# Allegro board Mic_Array_main_250pcs_release.brd (continued)
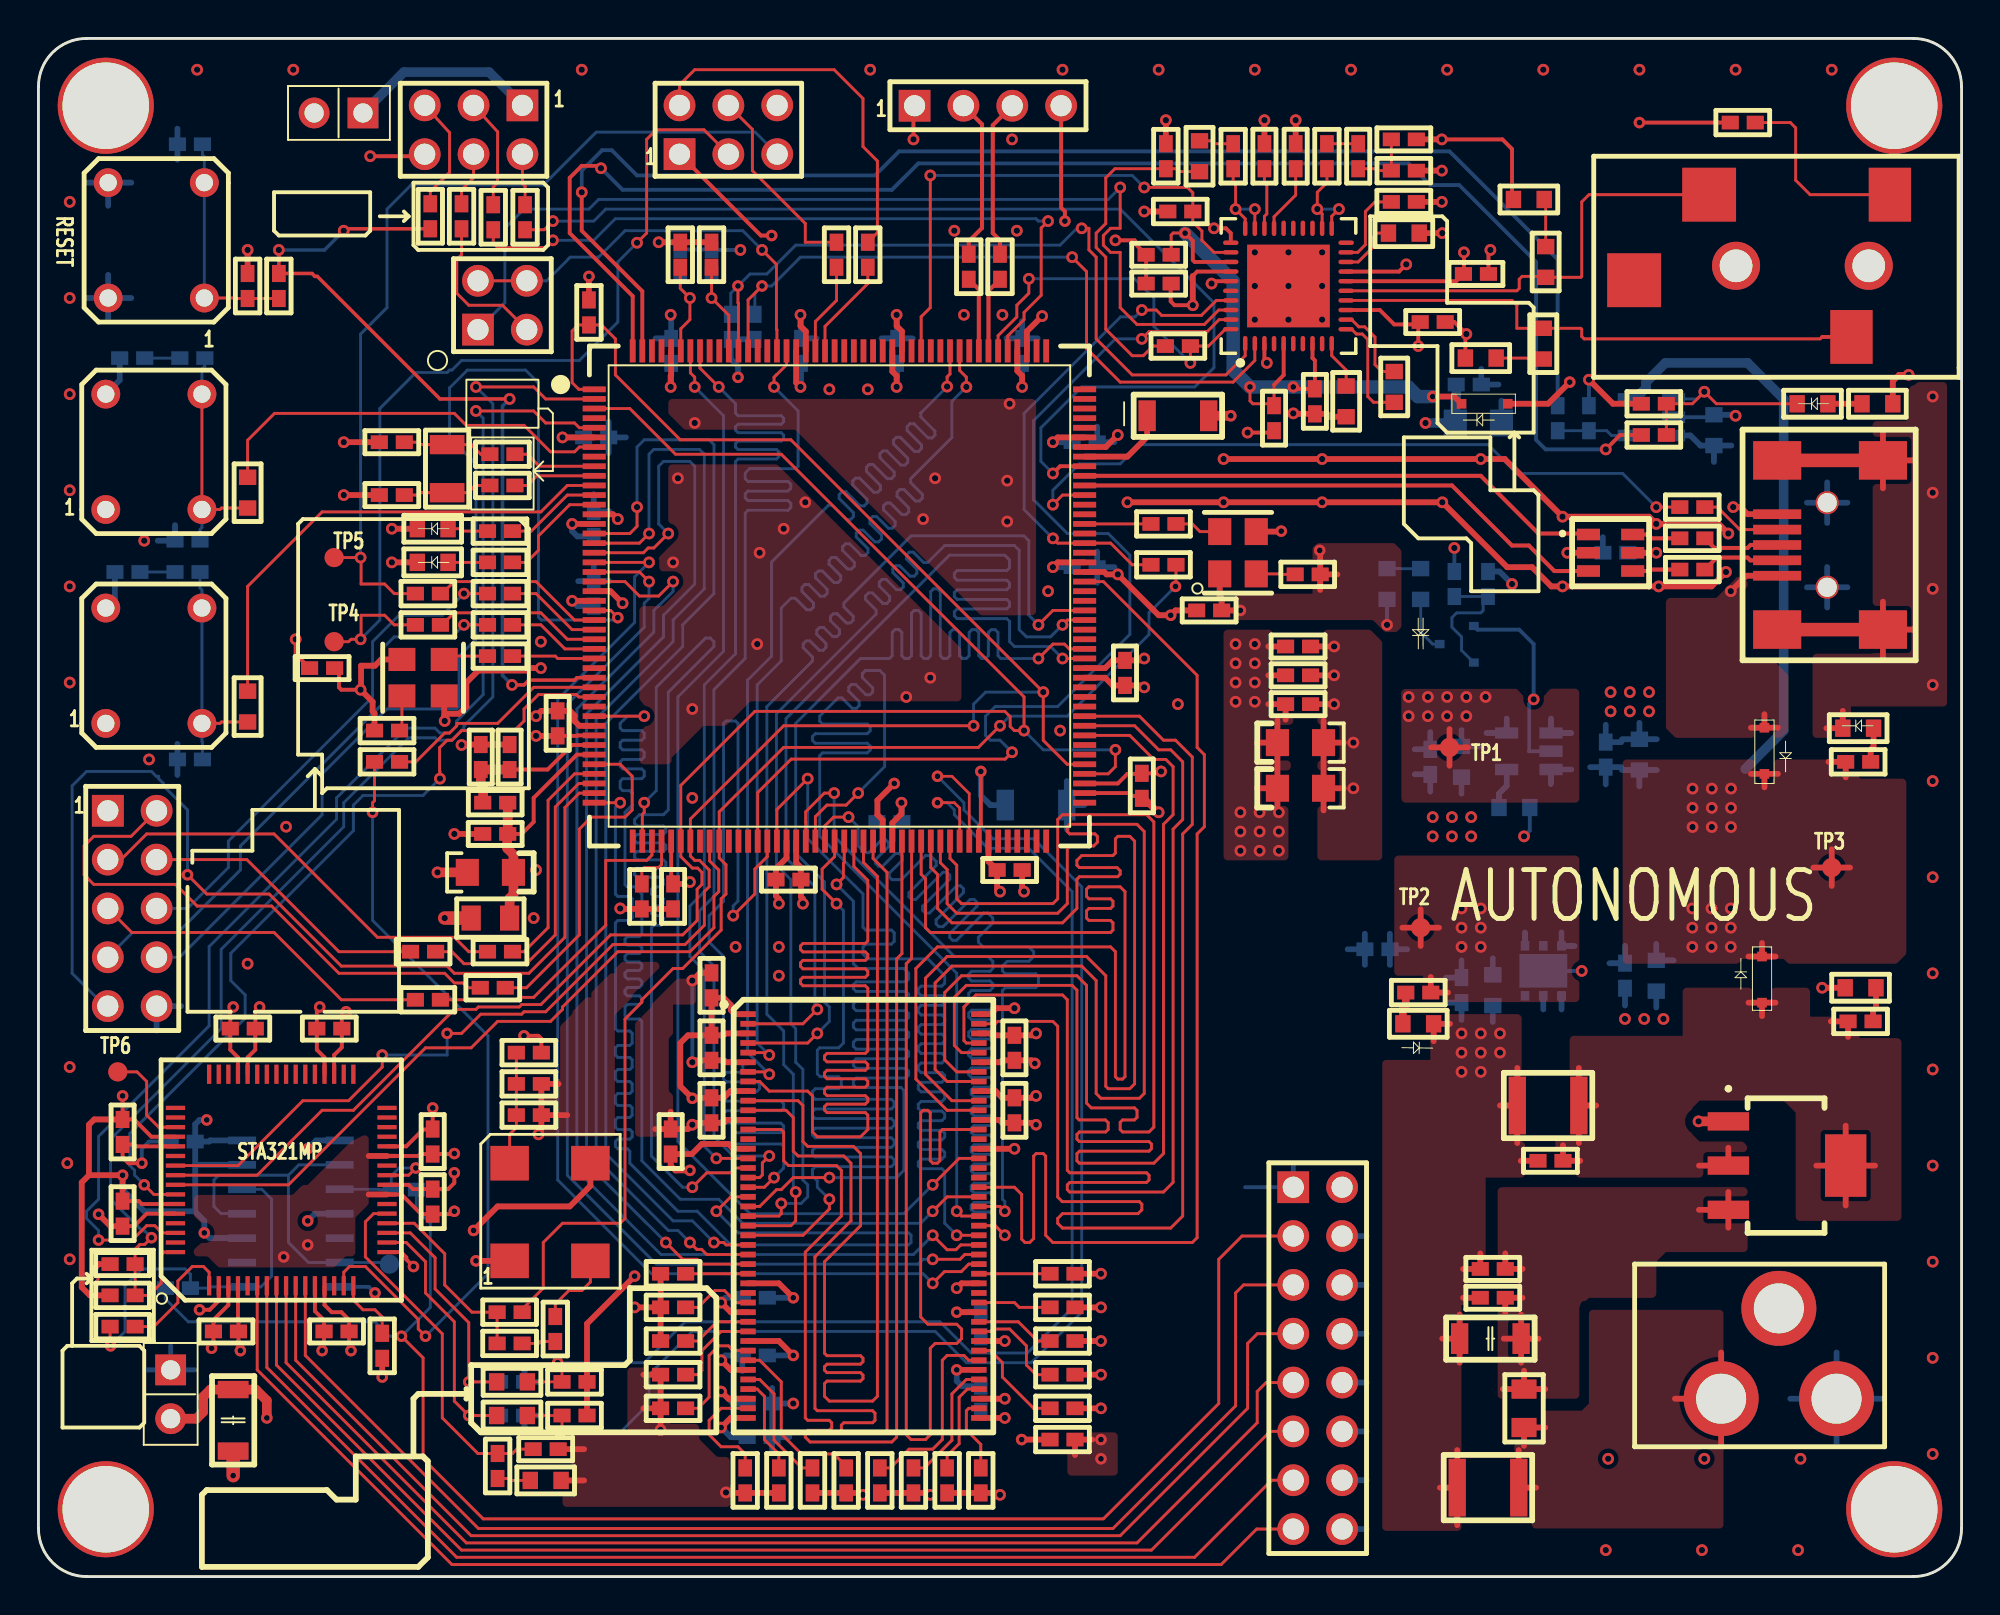
[diagram p0: board, top side]
## Routing (per net, layer and track width the routed paths; a pad name or vN(x,y) marks a point on that pad's centre or on a via; arc(x,y) is an arc through that point) (continued)
MIC_DATA1: length 67.4
  TOP w0.15: U12.11 13.88,11.5 22.88,2.5 55.88,2.5 62.25,8.88 62.25,14.75 62.67,15.17 J6.5
MIC_DATA2: length 65.9
  TOP w0.15: J6.7 63.38,12.63 62.88,12.12 62.88,8.75 56.25,2.12 22.5,2.12 13.38,11.25 U12.10
MIC_DATA3: length 64.7
  TOP w0.15: U12.9 12.88,11.12 22.25,1.75 57.12,1.75 63.38,8 63.38,9.62 63.84,10.09 J6.9
MIC_DATA4: length 63.5
  TOP w0.15: U12.8 12.38,11 22,1.38 57.88,1.38 64.05,7.55 J6.11
MIC_DATA5: length 63.4
  TOP w0.15: J6.13 64.12,5.01 60.12,1 21.75,1 11.88,10.88 U12.7
MIC_DATA6: length 63.2
  TOP w0.15: U12.6 11.38,10.75 21.5,0.62 61.5,0.62 63.34,2.47 J6.15
NRST: length 43.9
  TOP w0.18: v2(24.62,46.38) 25.25,46.38 25.5,46.62 27.88,46.62 28,46.75 U8.31 ; v2(24.5,61.25) 20.88,61.25 14.5,67.62 14.38,67.62 14.22,67.78 R16.1 v2(12.5,69) ; v2(15.88,70) 15.97,70.1 R5.2
  BOTTOM w0.18: v2(15.88,70) 14.88,69 v2(12.5,69) ; v2(24.5,61.25) 24.13,60.88 24.13,46.87 v2(24.62,46.38)
OSC25M: length 2.3
  TOP w0.14: 22.75,47.88 21.27,47.88 X2.3
  TOP w0.15: R49.1 22.75,47.88
OSC32_IN: length 4.4
  TOP w0.15: U8.9 26.04,57.75 25.42,58.38 R34.2
OSC32_OUT: length 4.3
  TOP w0.15: R35.2 25.42,56.75 25.92,57.25 U8.10
OSC_CLK: length 1.8
  TOP w0.15: R100.2 26.1,12.22 26,12.12 R103.2
OTG_FS_OVERCURRENT: length 79.4
  TOP w0.2: U8.176 30.9,66.6 27.62,69.88 27.62,72.75 28.25,73.38 29.12,73.38 29.12,73.25 v2(29.25,73.25) ; v2(81.5,58.62) 82.25,59.38 R23.2
  BOTTOM w0.2: v2(81.5,58.62) 78.38,58.62 77.88,59.12 77.88,68.38 73.88,72.38 72.38,72.38 71.25,73.5 45.75,73.5 44.38,72.12 30.38,72.12 v2(29.25,73.25)
OTG_FS_POWERSWITCHON: length 72.9
  TOP w0.2: U8.175 31.4,66.85 28.25,70 v2(28.25,72)
  BOTTOM w0.2: R25.1 79,68.5 73.38,74.12 44.75,74.12 43.5,72.88 31.12,72.88 29.81,74.19 29.31,74.19 28.25,73.12 v2(28.25,72)
PA0: length 29.1
  TOP w0.15: J1.2 4.82,38.5 2.88,38.5 2.38,38 2.38,36.5 2.88,36 7.13,36 8.25,34.88 12.12,34.88 15.62,31.38 21.12,31.38 21.62,30.88 22.08,30.88 22.33,30.62 R37.1
PA1: length 22.8
  TOP w0.15: J1.3 4.29,37.29 5.62,38.62 12.25,38.62 17.62,33.25 21.62,33.25 22.38,32.5 R40.1
PA2: length 15.2
  TOP w0.15: J1.4 10.84,37.29 15.62,32.5 R41.1
PA3: length 18.2
  TOP w0.15: 3.6,34.75 4.86,33.5 12.25,33.5 15.75,30 R43.1 19.85,30
PA15: length 18.8
  TOP w0.15: v2(59.9,63.12) R89.2 60.84,64 61.72,64.88 U9.40 ; v2(51.5,67.5) 51.5,66.75 50.88,66.12 50.88,65.52 49.9,64.54 U8.138
  BOTTOM w0.15: v2(59.9,63.12) 58,65.03 58,66.5 57,67.5 v2(51.5,67.5)
PB2: length 55.5
  TOP w0.15: U9.39 61.4,65.38 60.77,64.75 57.75,64.75 v2(57.38,64.38) ; v2(50.62,42.88) 50.27,42.52 39.14,42.52 37.4,40.78 U8.58
  BOTTOM w0.15: v2(57.38,64.38) 56,64.38 51.75,60.12 51.75,56 53.5,54.25 55.62,54.25 56.75,53.12 56.75,49 53,45.25 49.75,45.25 49.25,44.75 49.25,43.75 49.5,43.5 50,43.5 v2(50.62,42.88)
PB3: length 52.7
  TOP w0.15: U9.38 61.38,65.88 60.62,65.12 57.12,65.12 56.25,66 56.25,68.88 55.75,68.88 55.38,69.25 55.38,69.75 55.75,70.12 56.25,70.12 v2(56.25,72.25)
  BOTTOM w0.15: v2(56.25,72.25) 55.62,71.62 29.12,71.62 28.62,71.12 25.25,71.12 24.25,70.12 24.25,66.25 JP2.1
PB6: length 37.9
  TOP w0.15: U8.164 36.9,66.4 v1(37.62,67.12) ; v2(53.75,68.62) 54.5,67.88 54.5,63.88 56.25,62.12 62.12,62.12 63.25,63.25 U9.2
  BOTTOM w0.15: R97.1 37.25,66.75 v1(37.62,67.12) 38.13,67.12 39.63,68.62 v2(53.75,68.62)
PB7: length 40
  TOP w0.15: v1(36.38,67.12) 36.38,66.25 36.4,66.22 U8.165 ; v2(54.25,70.12) 54.62,70.12 54.62,69 55,68.62 55,64.38 56.88,62.5 61.75,62.5 62.75,63.5 U9.1
  BOTTOM w0.15: R98.1 36,66.75 v1(36.38,67.12) 37,67.75 37.88,67.75 39.38,69.25 53.12,69.25 54,70.12 v2(54.25,70.12)
PC7: length 26.2
  TOP w0.15: R95.1 56.88,52.62 55.75,53.75 U8.116 53,53.75 v2(52.75,54) ; v2(57.38,65.88) 58.13,65.88 58.41,65.6 60.47,65.6 61.25,66.38 U9.37
  BOTTOM w0.15: v2(52.75,54) 51.25,55.5 51.25,60.5 56.27,65.52 57.02,65.52 v2(57.38,65.88)
PC10: length 4
  TOP w0.21: U8.139 49.4,66.88 R8.1
PC11: length 3.9
  TOP w0.21: U8.140 48.9,66.95 R10.1
PD4: length 27.8
  TOP w0.15: v2(46.38,72.88) 46.38,66 45.9,65.53 U8.146 ; v2(57.5,72.25) 59.75,72.25 60.03,71.97 R87.2 60.03,70.45 60.5,69.98 60.5,69.5 61.12,68.88 U9.32
  BOTTOM w0.15: v2(46.38,72.88) 56.88,72.88 v2(57.5,72.25)
PDM_CLK: length 6.6
  TOP w0.15: R105.1 6,13 7.25,14.25 7.25,15.38 8,16.12 8.58,16.12 8.88,15.83 U12.1
PF6: length 63
  TOP w0.15: U8.24 29.75,50.25 v1(30.12,49.88)
  BOTTOM w0.15: 6.14,32.21 7.33,32.21 14.75,39.62 14.75,41.75 18.12,45.12 21.75,45.12 21.88,45.25 21.88,47.88 22.75,48.75 22.75,57.88 21.38,59.25 21.38,61.83 22.3,62.75 25.32,62.75 26,62.08 26,49.9 26.15,49.75 30,49.75 v1(30.12,49.88)
PF8: length 26.5
  TOP w0.15: R61.2 v2(22.12,51.12)
  BOTTOM w0.15: v2(22.12,51.12) 21,50 18.75,50 17.38,48.62 17.38,45.75 9.88,38.25 9.88,36.88 7.75,34.75 6.14,34.75
PF10: length 29.3
  TOP w0.15: R63.2 v2(22.12,49.5)
  BOTTOM w0.15: v2(22.12,49.5) 21.5,48.88 18.5,48.88 17.88,48.25 17.88,45.38 10.5,38 10.5,36.75 7.25,33.5 4.89,33.5 3.6,32.21
PH2: length 54.1
  TOP w0.15: v1(7.75,36.5) 8.75,35.5 12,35.5 15.75,31.75 21.25,31.75 21.62,31.38 25.5,31.38 27.38,33.25 27.38,40 28.12,40.75 U8.43
  BOTTOM w0.15: 3.6,29.67 3.46,29.67 1.75,31.38 1.75,41.12 2.5,41.88 5.88,41.88 6.12,41.62 6.25,41.62 6.25,41.5 6.5,41.25 6.5,41.12 7.75,39.88 v1(7.75,36.5)
PI8: length 21.5
  TOP w0.15: U8.7 28.13,58.75 27.88,58.5 26.62,58.5 25.25,59.88 22.25,59.88 21.63,60.5 12.28,60.5 10.88,59.1 R18.1
PI9: length 25.6
  TOP w0.15: R7.1 10.88,51.5 14.75,55.38 26.12,55.38 27.5,56.75 U8.11
PWDN: length 69.1
  TOP w0.15: v2(22.75,61.88) 25.75,61.88 26.38,61.25 U8.2 ; v1(5.88,17.62) 5.52,17.27 5.27,17.27 5.03,17.03 C89.1 R96.2 5.75,14.62 6.38,15.25 6.38,16.73 6.53,16.88 U12.64
  BOTTOM w0.15: v2(22.75,61.88) 23.62,61 23.62,45.75 22.12,44.25 22.12,44.12 21.5,43.5 20.75,43.5 20.62,43.62 19.25,43.62 15.88,40.25 15.88,39 9.5,32.62 9.5,28.5 3.75,22.75 3.75,19.62 5.39,17.98 5.52,17.98 v1(5.88,17.62)
SDO_12: length 38.4
  TOP w0.15: U12.57 13,20.38 20.12,27.5 22.5,27.5 23.88,28.88 26.62,28.88 27.25,29.5 27.25,29.62 30.12,32.5 33.88,32.5 35.12,33.75 35.12,35.38 35.38,35.62 35.38,36.75 34.9,37.22 U8.53
SDO_34: length 43.6
  TOP w0.15: U12.58 6,19.88 v1(5.5,20.38) ; v2(20.88,41.5) 20.88,41.88 20.86,41.89 20.86,43.11 21.25,43.5 21.5,43.5 22,44 24.75,44 25.25,44.5 25.25,45.12 26,45.88 27.97,45.88 28.1,45.75 U8.33
  BOTTOM w0.15: v1(5.5,20.38) 5,20.88 5,21.12 4.75,21.38 4.75,23.04 10.75,29.04 10.75,30.25 10,31 10,32.42 16.38,38.79 16.38,40.12 16.88,40.62 20,40.62 v2(20.88,41.5)
SDO_56: length 64.7
  TOP w0.15: U8.5 28.12,59.75 27.88,60 26.38,60 25.75,60.62 v2(22.75,60.62) ; v1(3.12,17.5) 4.88,17.5 5.62,18.25 6.05,18.25 6.42,17.88 U12.62
  BOTTOM w0.15: v2(22.75,60.62) 23.12,60.25 23.12,45.88 21.75,44.5 21.75,44.25 21.38,43.88 20.88,43.88 20.62,44.12 19.12,44.12 15.5,40.5 15.5,39.39 8.88,32.77 8.88,28.64 3.12,22.89 3.12,19.62 2.5,19 2.5,18.62 3.12,18 v1(3.12,17.5)
SPI5_CK: length 46.9
  TOP w0.15: R54.2 18.5,51.12 18,51.62 16.78,51.62 16.78,52.97 v2(16.75,53) TP5.1
  BOTTOM w0.15: v2(16.75,53) 16.75,64.62 18.12,66 18.12,71.12 19.38,72.38 26.25,72.38 29,75.12 37.27,75.12 J5.5
SPI5_MOSI: length 47.5
  TOP w0.15: v2(31.12,69.38) 31.62,69.88 31.62,74.75 32.12,75.25 34.6,75.25 J5.3 ; TP4.1 16.13,48.62 16.25,48.75 v2(16.75,48.75) 16.78,48.78 16.78,50 18,50 18.5,49.5 R56.2
  BOTTOM w0.15: v2(16.75,48.75) 17.75,49.75 17.75,60.75 19.62,62.62 21.25,62.62 21.38,62.75 21.5,62.75 22,63.25 28.12,63.25 30.12,65.25 30.12,68.38 v2(31.12,69.38)
SPI6_CK: length 19.5
  TOP w0.15: R44.2 43.62,69.9 43.62,73.62 42.88,74.38 42.88,76.88 41.38,78.38 34.12,78.38 33.34,77.58 J5.2
SPI6_MOSI: length 10.4
  TOP w0.15: R46.2 39.88,69.4 39.88,70.38 37.12,73.12 37.12,75.27 J5.4
STA_RESET: length 40.6
  TOP w0.15: v1(20.12,12.5) 19.75,12.88 19.75,13.38 17,16.12 16.17,16.12 15.88,15.83 U12.15 ; v1(17.38,39.75) 17.38,40.25 17.47,40.35 R118.2
  BOTTOM w0.15: v1(20.12,12.5) 23.38,15.75 23.38,28.12 17.38,34.12 v1(17.38,39.75)
SWCLK: length 37.9
  TOP w0.15: R2.2 23.65,69.35 23.88,69.12 26.38,69.12 v2(26.75,69.5) ; U8.137 50.4,64.53 51.25,65.38 51.25,65.75 52.14,66.64 52.14,70.14 v2(52.5,70.5)
  BOTTOM w0.15: v2(52.5,70.5) 51.99,70.5 51.87,70.62 30,70.62 28.88,69.5 v2(26.75,69.5)
SWDIO: length 56.4
  TOP w0.15: v2(26.75,70.5) 26.3,70.05 R1.2
  TOP w0.2: v2(52.75,57.38) 53.12,57.75 U8.124
  BOTTOM w0.15: v2(52.75,57.38) 52.12,58 52.12,59.75 54.25,61.88 60.12,61.88 61.12,62.88 61.12,66.25 56.25,71.12 29.5,71.12 28.88,70.5 v2(26.75,70.5)
SWO: length 7.9
  TOP w0.15: R4.2 22,68.75 21.75,68.5 21.75,66.75 22.38,66.12 24.12,66.12 JP2.3
U5V_USB: length 13.1
  TOP w0.3: 89.05,44.15 D4.2 ; D4.2 89.75,44.85 ; D4.2 90.45,44.15 ; U4.1 88.8,52.05 v2(88,51.25) ; U5.5 v2(84.12,53.25)
  BOTTOM w0.3: 87.12,57.97 C14.1 ; C14.1 88.03,58.83 ; C14.1 86.43,58.83 85.9,59.35 U11.1 ; v2(76.62,51.62) 75.97,52.28 R30.1 ; C17.2 v2(84.12,53.25)
UART4_RX: length 8.4
  TOP w0.21: J3.2 49.06,75.53 49.06,70.14 48.38,69.45 R10.2
UART4_TX: length 8.3
  TOP w0.21: R8.2 50,69.5 49.62,69.88 49.62,75.49 J3.3
USB_FS1_N: length 4.1
  TOP w0.21: U4.2 89.02,52.85 88.88,53 87.28,53 R26.1
USB_FS1_P: length 4
  TOP w0.21: U4.3 89.03,53.65 88.88,53.5 87.15,53.5 R27.1
USB_OTG_FS_DM: length 28
  TOP w0.21: U8.122 73.5,56.75 76.62,53.62 77.5,53.62 78.83,52.3 U5.3
USB_OTG_FS_DP: length 27.5
  TOP w0.21: U5.1 80.55,54.25 78,54.25 75,57.25 U8.123
USB_OTG_FS_ID: length 37.5
  TOP w0.15: R28.2 v2(84.12,55.62) ; v2(52.75,55.75) 53.25,56.25 U8.121
  BOTTOM w0.15: v2(84.12,55.62) 82.38,57.38 76.87,57.38 75.37,58.88 57.25,58.88 56.25,57.88 54.12,57.88 52.75,56.5 v2(52.75,55.75)
VREF: length 8.2
  TOP w0.2: C52.1 26.47,41.97 27.75,43.25 U8.38
  TOP w0.5: R67.1 23.12,40.28 23.12,41.12 23,41.25 C53.1 C52.1
XTI: length 10.2
  TOP w0.15: R103.1 R104.1 22.54,13.75 21.12,15.16 21.12,16.79 19.54,18.38 U12.20
N115879: length 4.7
  TOP w0.15: C24.2 19.66,59 19.79,58.88 X1.2 22.5,58.88 23,58.38 R34.1
N115893: length 4.7
  TOP w0.15: C25.2 19.66,56.25 19.79,56.38 X1.1 22.34,56.38 22.72,56.75 R35.1
N117103: length 1.9
  TOP w0.15: X2.1 18.9,44.12 R36.2
N162834: length 5.9
  TOP w0.15: R52.1 v2(35,66.5) 35.9,65.6 U8.166
  BOTTOM w0.15: R53.1 v2(35,66.5)
N163230: length 6.2
  TOP w0.15: U8.171 33.4,64.9 33.88,65.38 v2(33.88,66.5) 33.38,67 R57.1
  BOTTOM w0.15: v2(33.88,66.5) 33.38,67 R59.1
N206390: length 21.8
  TOP w0.15: U8.161 38.4,64.85 38.38,64.88 38.38,68.25 v2(37.62,69) ; JP2.2 JP2.4
  BOTTOM w0.15: JP2.4 26.42,67.39 27.65,68.62 29.12,68.62 30.5,70 36.62,70 v2(37.62,69)
N226705: length 2.1
  BOTTOM w0.3: U1.4 76.35,41.13 75.95,40.73 C10.1
N233294: length 1.7
  TOP w0.4: R24.1 71.1,29.69 70.95,29.54 D2.2
N238541: length 3
  BOTTOM w0.15: 71.88,50.88 D5.1 71.88,49.12 72.5,48.5 Q1.3 72.88,48.5
N238552: length 7.2
  BOTTOM w0.15: R33.2 R30.2 75.38,51 75.12,50.75 75.12,50.25 75,50.12 73.75,50.12 73.5,49.88 73.5,49.38 74,48.88 74,48.17 Q1.2
N238566: length 1.8
  BOTTOM w0.15: R31.2 D5.2
N241763: length 2.5
  TOP w0.21: R26.2 83.77,52.38 83.69,52.3 U5.4
N241767: length 2.5
  TOP w0.21: U5.6 83.69,54.2 83.89,54 R27.2
N242760: length 4.2
  TOP w0.15: R28.1 87.3,55.62 88.47,54.45 U4.4
N248007: length 23.5
  TOP w0.15: U9.15 76.88,66.88 77,67 77,67.47 77.15,67.62 78.33,67.62 C55.2 80.2,67.58 80.25,67.62 80.25,71.5 80.62,71.88 CN1.2
N248035: length 28.1
  TOP w0.15: U9.14 76.62,66.38 76.88,66.12 76.88,64.92 C54.2 80.2,64.92 80.25,64.88 80.25,64.5 80.38,64.38 92.65,64.38 92.75,64.47
  TOP w0.2: CN1.3 92.75,64.47
N248189: length 10.4
  TOP w0.15: CN1.1 92.12,71.88 91.38,72.62 91.38,75.35 91.1,75.62 R84.2
  TOP w0.2: CN1.1 96.28,72.17
N248225: length 5.4
  TOP w0.15: U9.30 62.75,70.62 v2(62.25,71.12) 62.25,72.46 62.12,72.59 R88.1 ; U9.29 v2(63.25,71.12)
  BOTTOM w0.15: v2(62.25,71.12) v2(63.25,71.12)
N248229: length 1.8
  TOP w0.15: R88.2 61.17,74.53 61.02,74.67 C60.1
N248233: length 17.3
  TOP w0.15: R89.1 57.95,64 57.45,63.5 56.88,63.5 55.5,64.88 55.5,68.62 55,69.12 55,69.88 55.5,70.38 55.5,72.75 55.97,73.22 R92.1 59.17,73.22 59.32,73.08 C60.2
N248303: length 2.5
  TOP w0.15: C58.1 68,62.75 67.25,63.5 U9.10
N248307: length 5.8
  TOP w0.15: U9.11 68.28,64.88 68.53,64.62 68.84,64.62 69.12,64.34 69.12,61.38 69.42,61.08 C59.1
N248311: length 4.5
  TOP w0.15: C59.2 69.86,62.67 69.5,63.03 69.5,64.47 68.97,65 68.66,65 68.28,65.38 U9.12
N248571: length 2.5
  TOP w0.15: R75.2 78.2,63.38 C54.1
N248575: length 2.5
  TOP w0.15: C55.1 78.38,71.55 R76.2
N248601: length 5.7
  TOP w0.15: v2(67.62,71.12) 67.25,70.75 U9.21 ; R94.1 67,72.5 66.5,72 v2(66.5,71.12) 66.75,70.88 U9.22
  BOTTOM w0.15: v2(66.5,71.12) v2(67.62,71.12)
N248611: length 1.6
  TOP w0.15: C67.1 R94.2
N248615: length 3.4
  TOP w0.15: C61.2 R93.1 69.71,73.12 69.61,73.22 C67.2
N248679: length 4.4
  TOP w0.15: U9.19 68.6,68.88 69,69.27 69,71 69.5,71.5 C75.1
N248687: length 3.2
  TOP w0.15: C74.1 63.75,72.58 63.88,72.45 63.88,70.88 63.75,70.75 U9.28
N248695: length 3.6
  TOP w0.15: U9.27 64.25,70.73 65.38,71.85 C73.1
N248703: length 3.1
  TOP w0.15: C72.1 69.6,69.88 69.38,69.65 69.38,69.13 68.62,68.38 U9.18
N260798: length 4.8
  TOP w0.3: U8.125 56.62,58.25 57.65,59.27 C46.1
N260805: length 6.4
  TOP w0.2: v1(49,41.88) 49,39.13 48.9,39.03 U8.81
  BOTTOM w0.3: v1(49,41.88) 49,40.62 49.5,40.12 C47.2
N264179: length 10.7
  TOP w0.15: D1.1 87.25,61 v2(86.62,61.62) 86,61 R21.2 R23.1
  BOTTOM w0.15: v2(86.62,61.62) 86.25,61.25 U11.3
N264257: length 1.8
  TOP w0.3: R20.2 D1.2
N265526: length 3.8
  BOTTOM w0.15: R25.2 R22.2 81.55,59.6 81.8,59.35 U11.4
N266142: length 1.8
  TOP w0.3: R32.1 95.28,43.01 95.42,43.16 D6.2
N294693: length 3.1
  TOP w0.15: R55.1 31.38,36.75 31.5,36.88 32.25,36.88 32.4,37.03 U8.48
N298204: length 4.3
  TOP w0.15: R49.2 26.88,47.88 27,47.75 U8.29
N307670: length 9.1
  TOP w0.15: R54.1 20.99,51.12 21.61,51.75 25.88,51.75 27.88,49.75 U8.25
N313164: length 12
  TOP w0.15: R40.2 25.25,32.5 26.5,33.75 26.5,40.38 27.88,41.75 U8.41
N313168: length 16.3
  TOP w0.15: U8.42 28.1,41.25 26.88,40.03 26.88,33.38 25.38,31.88 22.13,31.88 21.5,32.5 R41.2 20.62,32.5
N313176: length 16.8
  TOP w0.15: 20.88,30 R43.2 24.88,30 25,30.12 25.75,30.12 29.5,33.88 29.5,37.25 31.62,37.25 31.9,37.53 U8.47
N314492: length 5
  TOP w0.15: U8.26 27.75,49.25 25.88,51.12 R61.1
N314496: length 8.8
  TOP w0.15: R56.1 20.99,49.5 21.61,50.12 26.12,50.12 27.5,48.75 U8.27
N314500: length 4.8
  TOP w0.15: R63.1 26.12,49.5 27.37,48.25 U8.28
N343193: length 17.6
  TOP w0.15: U8.40 30.25,42.25 30.88,41.62 30.88,39.88 30.5,39.5 28.75,39.5 28.12,38.88 28.12,33.37 25.38,30.62 R37.2
N345423: length 12.2
  TOP w0.15: R7.2 9.52,44.45 9.44,44.38 SW1.2
  BOTTOM w0.15: R9.1 8.53,43.41 8.5,43.43 SW1.2 SW1.3 8.5,51.32 8.4,51.42 C1.2
N345707: length 1.8
  BOTTOM w0.15: R3.1 C1.1
N346106: length 12
  TOP w0.15: SW2.3 SW2.2 9.44,55.5 9.52,55.58 R18.2
  BOTTOM w0.15: R19.1 8.4,54.46 8.5,54.56 SW2.2 ; SW2.3 8.5,62.8 8.65,62.95 C4.2
N346154: length 1.8
  BOTTOM w0.15: R11.1 C4.1
N347566: length 2.1
  TOP w0.15: R64.1 22.02,54.38 21.89,54.5 D8.2
N347570: length 2
  TOP w0.15: R65.1 D9.2
N380637: length 14.3
  TOP w0.3: 86.35,19.07 U7.3 ; U7.3 87.88,20 ; U7.3 87.88,18.15 ; L1.2 77.25,10.7 ; L1.2 76.15,9.75 ; L1.2 78.35,9.75 ; C19.1 77.1,13.63 ; C19.1 76.2,12.38 ; C19.1 78,12.38 ; C19.1 77.1,11.12 ; 77.17,16 C20.1 76.28,16.81 ; 77.17,14.5 C21.1 76.28,13.69
N384702: length 1.8
  TOP w0.3: R29.1 95.4,29.46 95.55,29.61 D3.2
N392150: length 11.9
  TOP w0.15: R16.2 R14.2 10.33,66.47 10.3,66.5 SW3.4
  BOTTOM w0.15: C5.1 8.53,73.95 8.62,73.85 SW3.1 SW3.4
N398183: length 13.3
  TOP w0.15: R12.2 v1(22.38,10.12) 22.38,13.21 20.62,14.96 20.62,16.58 19.33,17.88 U12.19
  BOTTOM w0.15: C2.1 v1(22.38,10.12)
N398229: length 14.4
  TOP w0.15: U12.18 19.12,17.38 20.12,16.38 20.12,14.75 21.62,13.25 21.62,9.12 v1(22.38,8.38) R13.1
  BOTTOM w0.15: C3.2 v1(22.38,8.38)
N401733: length 5.3
  TOP w0.15: R44.1 43.12,67.25 40.9,65.03 U8.156
N401749: length 4.8
  TOP w0.15: R46.1 41.5,66.38 40.4,65.28 U8.157
N404005: length 3.7
  TOP w0.15: U10.59 R90.1
N404009: length 3.2
  TOP w0.15: U10.28 R91.1
N414682: length 3.7
  TOP w0.15: U10.33 35.29,13.25 34.29,12.25 R85.2
N414689: length 4.8
  TOP w0.15: U10.34 35.5,12.75 34.5,11.75 34.5,10.71 34.29,10.5 R83.2
N414717: length 6
  TOP w0.15: U10.36 36.12,11.75 35.87,12 35.38,12 34.88,11.5 34.88,9.33 34.3,8.75 R82.2
N414729: length 9.1
  TOP w0.15: U10.37 37.5,11.25 38.62,10.13 38.62,7.42 39.67,6.38 41.36,6.38 42,5.74 R81.2
N414741: length 6.7
  TOP w0.15: R80.2 39.69,5.65 38.25,7.09 38.25,9.5 37.5,10.25 U10.39
N414753: length 5
  TOP w0.15: R79.2 38.5,6.38 37.75,7.13 37.75,9.38 37.38,9.75 U10.40
N414765: length 6
  TOP w0.15: R78.2 36.75,6.38 36.38,6.75 35.5,6.75 34.88,7.38 34.88,8.12 35.5,8.75 U10.42
N414777: length 4
  TOP w0.15: U10.45 48.38,8.75 48.25,8.62 48.25,7.62 49,6.88 R77.2
N414789: length 5.1
  TOP w0.15: U10.47 48.3,9.75 47.88,9.33 47.88,6.91 47.25,6.29 R74.2
N414891: length 3.9
  TOP w0.15: U10.31 36.3,14.25 35.67,14.88 35.17,14.88 34.3,14 R86.2
N414986: length 6.7
  TOP w0.15: U10.48 48.25,10.25 47.5,9.5 47.5,7.09 46.06,5.65 R73.2
N414998: length 10.1
  TOP w0.15: U10.50 48.37,11.25 48.12,11.5 47.25,11.5 47,11.25 47,7.12 46.5,6.62 45.27,6.62 44.3,5.65 R72.2
N415010: length 5.4
  TOP w0.15: R71.2 51.75,8.75 50.12,10.38 50.12,11.13 49.5,11.75 U10.51
N415031: length 5.3
  TOP w0.15: R70.2 51.88,10.5 51.38,11 51.38,12 50.5,12.88 49.63,12.88 49.5,12.75 U10.53
N415042: length 4.1
  TOP w0.15: R69.2 51.95,12.25 50.95,13.25 U10.54
N415068: length 3.8
  TOP w0.15: U10.56 50.75,14.25 51,14 R68.2
N500901: length 2.7
  TOP w0.15: J2.2 25.16,72.46 25.3,72.32 R1.1
N500913: length 5.7
  TOP w0.15: R2.1 23.65,72.27 23.88,72.5 23.88,75.14 J2.3
N500925: length 2.8
  TOP w0.15: J2.4 22.62,72.75 22,72.12 R4.1
N500937: length 6
  TOP w0.15: R5.1 20.38,72.04 21.38,73.04 21.38,75.11 J2.5
N801153: length 5.9
  TOP w0.15: R101.1 R102.1 R99.2 24.85,23.35 24.5,23 X4.1
N801177: length 4
  TOP w0.15: R100.1 26.88,14.17 27.58,14.87 28.26,14.87 28.7,15.32 X4.3
N846467: length 2
  TOP w0.15: R111.2 64.7,52.12 64.68,52.15 X3.1
N856976: length 5.2
  TOP w0.15: U12.51 6.25,23.38 5.62,24 5.62,25.75 5.12,26.25 TP6.1
N860674: length 18.7
  TOP w0.15: C103.2 24.88,6.62 24.65,6.4 R112.2 22.85,6.4 21,8.25 21,12.62 17,16.62 17,18.45 17.42,18.88 U12.21
N860799: length 1.7
  TOP w0.15: C104.2 24.62,5 24.53,5.1 R112.1
N867055: length 3.5
  TOP w0.15: R114.2 17.88,13.5 17.5,13.88 16.88,13.88 16.38,14.38 U12.16
N892239: length 3.4
  TOP w0.15: U8.118 R115.2
N898566: length 19.1
  BOTTOM w0.15: TP7.1 18.09,16.25 18,16.34 U14.6 14.04,16.34 13,17.38 13,20.88 ; U14.2 13.54,21.41 13,20.88 ; 13,20.88 9.38,20.88 9.12,20.62 9.12,19.25 9.5,18.88 U14.11
N941023: length 11.8
  TOP w0.15: U8.32 25.75,46.25 23.88,44.38 21.75,44.38 21.75,44.25 21.38,43.88 21.12,43.88 19.62,42.38 R118.1

## Copper pours and planes (outline as drawn; the poured copper is in the pictures)
2.5V on TOP: 70.88,40.25 70.86,46.16 80.12,46.18 80.12,40.25
2.5V on BOTTOM: 76.88,46.88 76.88,43.62 75.62,43.62 75.62,42.75 68.38,42.75 68.38,46.88
2.5V on INT_LAYER3: 59.38,64.62 65.75,64.62 71.38,59 71.38,43.88 71.25,43.75 78.62,43.75 78.62,70.5 61.88,70.5 61.88,68.12 59.38,68.12
3.3V on TOP: 72,29.88 72,31.25 70.5,31.25 70.5,37.5 80.12,37.5 80.12,29.88
3.3V on TOP: 60.75,51 60.75,50 61,49.75 69.38,49.75 70,49.12 70.62,49.12 70.88,49.38 70.88,53.38 70.5,53.75 66.5,53.75 66.25,53.5 66.25,51.12 60.88,51.12
3.3V on TOP: 53.5,7.5 53.5,5.25 56.12,5.25 56.12,7.5
3.3V on BOTTOM: 69.88,30.75 74.88,30.75 75.12,31 76.5,31 76.5,32.62 77.75,32.62 77.75,37.62 69.88,37.62
3.3V on INT_LAYER2: 96.75,63.25 96.75,62 97.75,62 97.75,64.5 79.12,64.5 79.12,61.75 81,61.75 81,63.25
3.3V on INT_LAYER3: 10.75,3.38 10.75,9 13.88,9 13.88,10.62 20.5,10.62 22.38,12.5 22.38,15.12 23.25,16 23.25,19.12 22.38,20 22.38,22.5 21.62,23.25 21.62,27.62 18.38,30.88 11.12,30.88 11.12,38.88 7.25,42.75 7.25,53.62 25.25,53.62 25.25,33.25 26.25,33.25 26.25,19 29.88,15.38 32.62,15.38 32.62,15 50,15 50.5,15.5 50.5,36.88 49.5,36.88 46.38,40 45.38,40 45.38,44.38 53.88,44.38 53.88,43.12 59.25,48.5 59.25,60.62 57.75,62.12 57.5,62.12 56.88,62.75 50.38,62.75 48.25,64.88 1.12,64.88 1.12,71.75 61,71.75 61,68.5 58,68.5 58,65 61.62,65 62.25,64.38 65.75,64.38 71,59.12 71,43.5 79,43.5 79,63.38 81.88,63.38 81.88,60.12 81.12,59.38 81.12,25.12 60.38,25.12 60.38,9.25 60.75,9.25 60.75,3.38 ; 7 cut-outs
3.3V DDR on INT_LAYER2: 33.12,6.5 33.12,9.62 32.5,10.25 32.5,21.88 35.38,21.88 35.38,24.38 33.12,24.38 33.12,25.62 35.38,25.62 35.38,33.75 37.75,33.75 37.75,33.62 39.38,33.62 39.38,36.88 38.75,36.88 38.75,42 45.88,42 45.88,40 52.75,40 52.75,52.38 60.5,52.38 60.5,16.75 51.62,16.75 51.62,13.5 49.5,13.5 49.5,11 51.62,11 51.62,6.5
3.3V_STA on BOTTOM: 7,1.12 7,5.88 5.12,7.75 5.12,12.25 5.62,12.75 10.62,12.75 11.75,11.62 11.75,3.25 56.88,3.25 56.88,4.38 56.5,4.38 56.5,24.62 65.5,24.62 65.5,21.12 62.88,21.12 62.88,1.12
3.3V_STA on INT_LAYER3: 13.88,9.38 13,10.25 13,10.5 6.25,10.5 6.25,12.25 7.12,12.25 7.12,18.38 7.25,18.5 7.25,25 10.62,28.38 10.75,28.38 10.75,28.5 11,28.75 11,31.25 23.38,31.25 23.38,9.38
5V on TOP: 94.25,42.5 94.38,42.38 94.38,41.88 94.75,41.5 97.12,41.5 97.12,32.38 96.62,31.88 91,31.88 90.75,32.12 88.62,32.12 88.38,31.88 82.38,31.88 82.38,42.5
5V on BOTTOM: 88.5,31.75 83.12,31.75 83,31.62 81.62,31.62 81.62,29.12 79,29.12 79,30.38 79.12,30.5 80.88,30.62 81,32.12 79.12,32.62 79,32.75 79,37.62 88.5,37.62
5V on BOTTOM: 80.62,42.38 89.12,42.38 89.12,38.5 78.62,38.5 78.62,42.12 78.75,42.25 79.38,42.25 79.5,42.38 79.5,43.5 79.25,43.75 78.38,43.75 78.25,43.88 78.25,44.75 78.38,44.88 80.5,44.88 80.62,44.75
5V on INT_LAYER3: 4,0 1.17,1.17 0,4 0,41.88 4.25,41.88 4.25,72.12 7.12,72.12 7.12,80 93,80 93,73.38 100,73.38 100,7.25 93.5,7.25 93.5,0 70.25,0 70.25,21.5 69.12,22.62 63.5,22.62 63.5,0.25 63.25,0 ; 8 cut-outs
5V_EXT on TOP: 79.62,22.88 78.88,22.88 78.88,20.75 88.62,20.75 88.88,21 88.88,22.38 88.62,22.62 86.38,22.62 86,23 86,24.38 86.38,24.75 90.75,24.75 91.38,24.12 91.38,18.5 96.88,18.5 96.88,28 94.75,28 94.38,28.38 94.38,29.12 92.12,29.12 92.12,30.5 92,30.62 85.5,30.62 85.5,28.12 79.62,28.12
12V on TOP: 77,2.5 87.62,2.5 87.62,13.88 80.62,13.88 80.62,9 80.25,8.62 76.75,8.62 76.75,2.75
GND on TOP: 27.25,3.62 27.25,6.88 27.75,6.88 27.75,7.5 30.62,7.5 30.62,10.88 32.5,10.88 32.5,8.25 34.38,8.25 34.38,7.5 35,7.5 35,6.88 36,6.88 36,3.62
GND on TOP: 26,22.88 26,25.88 27.12,25.88 27.12,28.62 27,28.62 27,30.12 28.75,30.12 28.75,31.38 30,31.38 30,32 34.75,32 34.75,29.75 33,29.75 33,22.88
GND on TOP: 7.75,15.88 8,20 14,20.38 16.25,22.62 17.75,23.38 17.75,15.88
GND on TOP: 66.5,37.25 66.5,44.88 65.88,44.88 65.88,49.25 69.25,49.25 69.88,48.62 69.88,37.25
GND on TOP: 92.25,43.62 92.25,48 95.38,48 95.38,60.12 95.88,60.12 95.88,62.12 99.25,62.12 99.25,45.25 94.25,45.25 94.25,43.88 94.12,43.88 94.12,43.62
GND on TOP: 31.25,42.25 31.25,54.62 32.75,54.62 32.75,61.25 51.88,61.25 51.88,50 48,50 48,44.25 34.58,44.25 32.93,42.6 32.93,42.25
GND on TOP: 69.88,2.38 69.88,26.88 72.38,26.88 72.38,29.25 77.12,29.25 77.12,22.62 78.12,22.62 78.12,20.75 75.25,20.75 75.25,14.12 74,14.12 74,2.38
GND on BOTTOM: 67.62,1.25 67.62,19.12 66.38,21.62 66.38,24.88 56.5,24.88 56.5,4 23.88,4 23.88,7.62 25.88,7.62 25.88,10.88 23.88,10.88 23.88,18.12 21,18.12 21,25.38 3.25,25.38 3.25,13.5 1.1,13.5 1.1,73.78 6.22,73.78 6.22,78.9 13,78.9 13,74.75 18.75,74.75 18.75,72.75 23.62,72.75 23.62,68.62 20.62,68.62 20.5,50.75 25.88,49.88 25.1,63.41 25.32,63.62 26.29,63.62 28.91,66.25 33.38,66.25 33.38,61.88 35.38,61.88 35.38,60.25 38.5,60.25 38.5,61.88 39.25,61.88 39.25,66 41,66 41,69 38.38,69 38.38,71.12 32.62,71.12 32.62,74.38 58.25,74.38 58.25,76.5 55.62,76.5 55.62,78.9 93.65,78.9 93.65,73.65 98.9,73.65 98.9,6.35 93.65,6.35 93.65,1.1 ; 34 cut-outs
GND on BOTTOM: 81.12,43.38 81.12,47 88.62,47 88.62,43.38
GND on BOTTOM: 70,41.88 70,38.12 74.88,38.12 74.88,41.88
GND on INT_LAYER2: 6.12,1 6.12,6.12 1,6.12 1,73.88 6.38,73.88 6.38,79 93.88,79 93.88,73.75 99,73.75 99,6.12 93.88,6.12 93.88,1 70.62,1 68,1.12 68.12,22.75 63.25,22.88 62.62,22.25 62.62,1 ; 11 cut-outs
VDD on TOP: 61.62,37.25 61.62,49.25 65.38,49.25 65.38,44.5 65.12,44.25 65.12,41.75 65,41.62 65,37.25
VDD on BOTTOM: 60.5,27.88 60.5,50.12 65.38,50.12 65.38,41.38 69.12,37.62 69.12,27.88
VDD on INT_LAYER3: 30.62,15.12 26,19.75 26,32.25 24.62,33.62 20.88,33.62 20.62,33.88 20.62,40 25.25,44.62 25.25,52.88 24.5,53.62 9.62,53.62 6.88,50.88 6.88,42.38 1.12,42.38 1.12,64.62 48.38,64.62 50.38,62.62 56.75,62.62 64.5,54.88 64.5,48.75 59.88,44.12 59.88,42.12 58.88,41.12 54.12,41.12 52.12,43.12 46.25,43.12 45.62,42.5 45.62,39.75 46.38,39.75 49.38,36.75 51.62,36.75 52.75,35.62 52.75,30.38 50.88,28.5 50.88,16 50,15.12
U5V_USB on TOP: 85.12,43.62 84.62,44.12 84.62,50.75 85,51.12 87,51.12 87.88,52 88.62,52 88.88,51.75 88.88,51.5 88.62,51.25 88.62,48.12 89.19,47.56 90.31,47.56 91,46.88 91,44 90.62,43.62
U5V_USB on BOTTOM: 88.5,48.12 88.5,51.5 87.25,51.5 87,51.75 87,56.5 87.5,57 88.88,57 88.88,59.25 86.75,59.25 86.75,58 86.62,57.88 85.62,57.88 85.62,54.25 85.38,54 82.5,54 82.5,52.62 85.25,52.62 85.25,51.12 84.75,50.62 79.12,50.62 77,52.75 75,52.75 75,51.88 75.88,51.88 75.88,51 76.62,50.25 77.25,50.25 79.38,48.12
